# Altium PCB PCB4.PcbDoc (part 12 of 12)
Units mil, origin at the board's own origin, x right, y up, seen from the top; angles counter-clockwise.
Board outline 9204.7 x 4350.39 mil, 4 copper layers (Top Layer, Layer 1, Layer 2, Bottom Layer), stack 23.756 mil thick; 1824 components, 1732 nets, 6090 pads, 1022 vias.
Unrouted connection lines stored in the file: 2463.
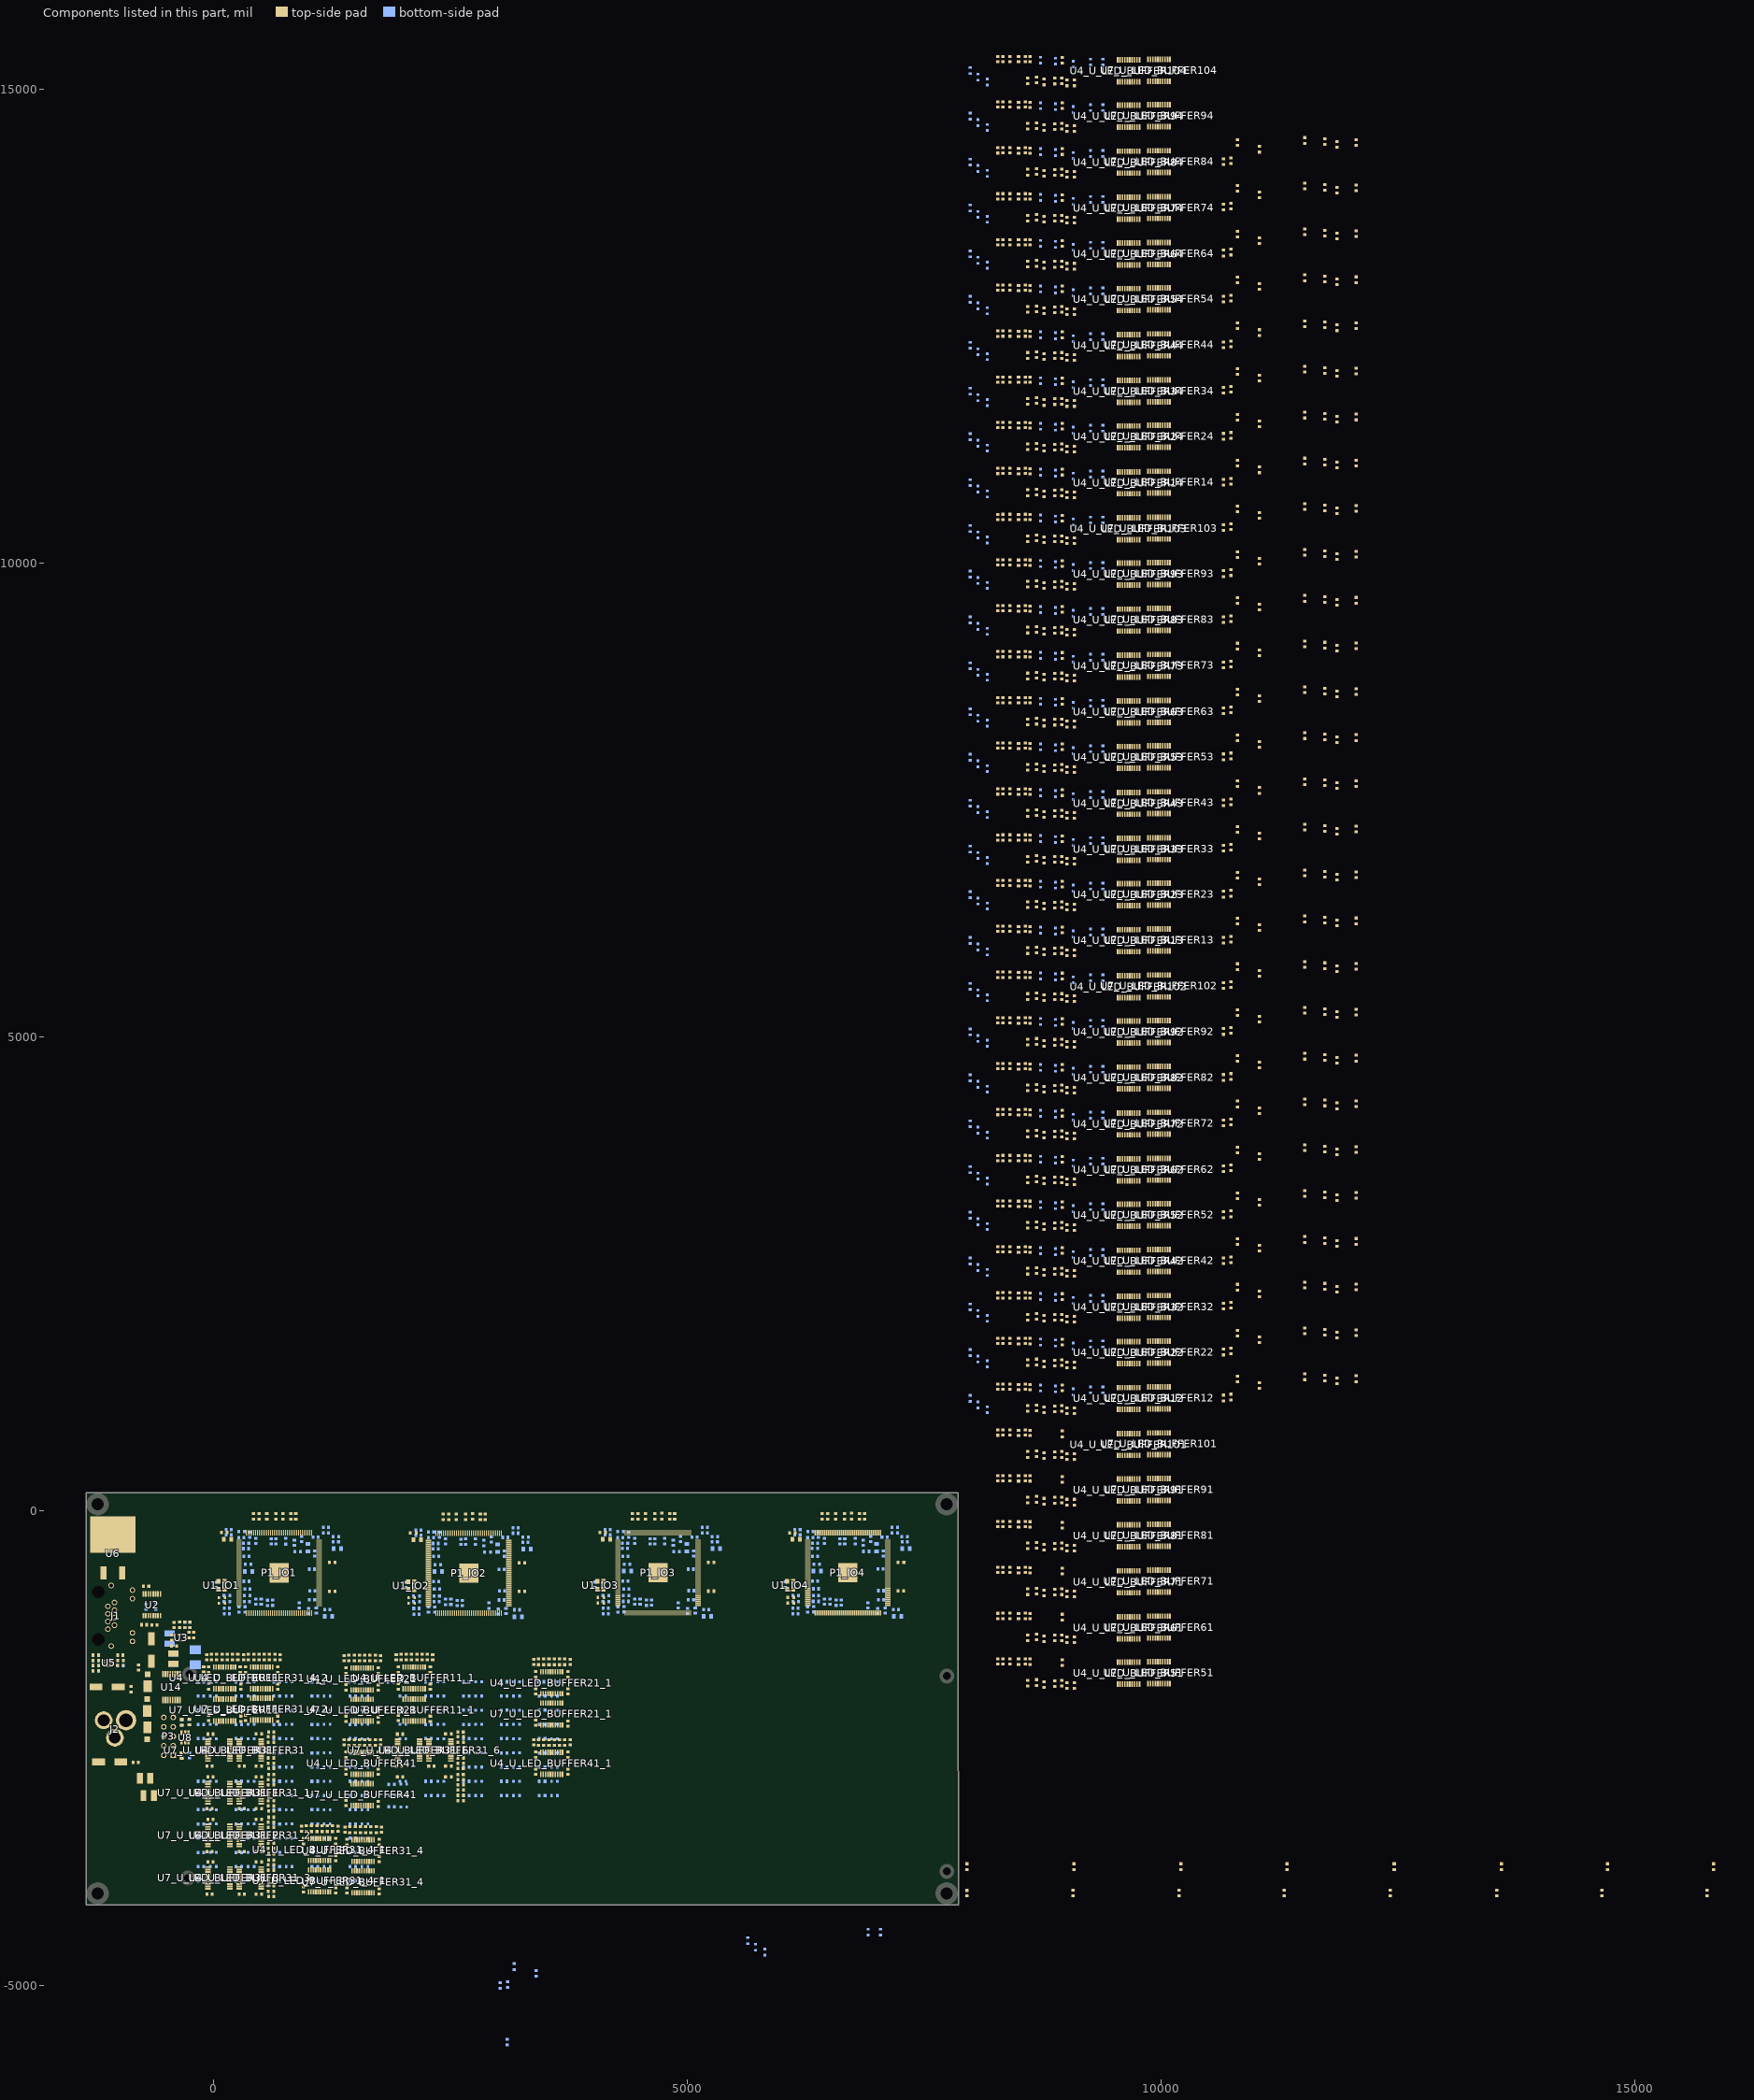
[diagram p14: the components of this part, seen from the top]

## Via types
v1: diameter 24, hole 12, Top Layer to Bottom Layer, 1022 vias

## Nets (pads, with @x,y where several pads share a name; then routed paths per layer and width w, separated by ;. In a path a pad name is that pad's centre, name@x,y a point inside that pad or via, vN(x,y) a via of type N, cw(c..) or ccw(c..) an arc to the next point about the centre after c; other vN are vias at no path point) (continued)
copper on no net: | length 70960.2
  Top Layer w7: -573.5,-3457.6 -573.5,-3440.6 -549.36,-3416.46 -549.36,-3387.51 ; -549.36,-3336.33 -501.38,-3336.33 -494.15,-3329.1 -488,-3322.95 -460.65,-3295.6 -460.5,-3295.6 ; -513.5,-3457.6 -454.06,-3457.6 -453.06,-3458.6 ; -395.8,-2767 v1@-299,-2767 ; -395.8,-2741 -396.36,-2741.56 -433.91,-2741.56 -449.97,-2757.62 -449.97,-2834.53 -434.51,-2850 v1(-270,-2850) ; -55.67,-3933.98 36.02,-3933.98 120,-3850 120,-3739.32 171.71,-3687.61 ; -55.67,-3908.39 31.41,-3908.39 90.7,-3849.1 90.7,-3736.43 v1(106.17,-3720.97) ; -55.67,-3882.8 27,-3882.8 70.67,-3839.13 70.67,-3720.67 v1(70,-3720) ; -55.67,-3857.2 32.8,-3857.2 52.5,-3837.5 52.5,-3776.59 47.5,-3771.59 47.5,-3710.68 v1@49.09,-3709.09 ; -55.67,-3806.02 -55.46,-3806.23 26.23,-3806.23 v1(30,-3810) ; -55.67,-3754.84 -25.16,-3754.84 0,-3780 v1@10,-3780 ; -55.67,-3483.98 36.02,-3483.98 120,-3400 120,-3289.32 171.71,-3237.61 ; -55.67,-3458.39 31.41,-3458.39 90.7,-3399.1 90.7,-3286.43 v1(106.17,-3270.97) ; -55.67,-3432.8 27,-3432.8 70.67,-3389.13 70.67,-3270.67 v1(70,-3270) ; -55.67,-3407.2 32.8,-3407.2 52.5,-3387.5 52.5,-3326.59 47.5,-3321.59 47.5,-3260.68 v1@49.09,-3259.09 ; -55.67,-3356.02 -55.46,-3356.23 26.23,-3356.23 v1(30,-3360) ; -55.67,-3304.84 -25.16,-3304.84 0,-3330 v1@10,-3330 ; -55.67,-3033.98 36.02,-3033.98 120,-2950 120,-2839.32 171.71,-2787.61 ; -55.67,-3008.39 31.41,-3008.39 90.7,-2949.1 90.7,-2836.43 v1(106.17,-2820.97) ; -55.67,-2982.8 27,-2982.8 70.67,-2939.13 70.67,-2820.67 v1(70,-2820) ; -55.67,-2957.2 32.8,-2957.2 52.5,-2937.5 52.5,-2876.59 47.5,-2871.59 47.5,-2810.68 v1@49.09,-2809.09 ; -55.67,-2906.02 -55.46,-2906.23 26.23,-2906.23 v1(30,-2910) ; -55.67,-2854.84 -25.16,-2854.84 0,-2880 v1@10,-2880 ; 171.34,-3830 270,-3830 ; 171.34,-3380 270,-3380 ; 171.34,-2930 270,-2930 ; 175.67,-3959.57 209.57,-3959.57 235.16,-3985.16 274.33,-3985.16 ; 175.67,-3933.98 274.33,-3933.98 ; 175.67,-3908.39 274.33,-3908.39 ; 175.67,-3882.8 274.33,-3882.8 ; 175.67,-3857.2 274.33,-3857.2 ; 175.67,-3806.02 274.33,-3806.02 ; 175.67,-3780.43 274.33,-3780.43 ; 175.67,-3509.57 209.57,-3509.57 235.16,-3535.16 274.33,-3535.16 ; 175.67,-3483.98 274.33,-3483.98 ; 175.67,-3458.39 274.33,-3458.39 ; 175.67,-3432.8 274.33,-3432.8 ; 175.67,-3407.2 274.33,-3407.2 ; 175.67,-3356.02 274.33,-3356.02 ; 175.67,-3330.43 274.33,-3330.43 ; 175.67,-3059.57 209.57,-3059.57 235.16,-3085.16 274.33,-3085.16 ; 175.67,-3033.98 274.33,-3033.98 ; 175.67,-3008.39 274.33,-3008.39 ; 175.67,-2982.8 274.33,-2982.8 ; 175.67,-2957.2 274.33,-2957.2 ; 175.67,-2906.02 274.33,-2906.02 ; 175.67,-2880.43 274.33,-2880.43 ; 327.61,-1978.29 379.33,-2030 490,-2030 573.98,-2113.98 573.98,-2205.67 ; 341.64,-1700 341.64,-1717.5 354.13,-1730 415.9,-1730 420,-1725.9 420,-1644.76 420.43,-1644.33 ; 371.11,-1570 371.69,-1570 406.86,-1605.16 407.23,-1604.8 441.66,-1604.8 446,-1609.13 446,-1611.36 ; 394.84,-2205.67 394.84,-2175.16 420,-2150 v1@420,-2140 ; 420.43,-1974.33 420.43,-1875.67 ; 426.67,-1570 471.61,-1614.95 471.61,-1644.33 ; 446.02,-1974.33 446.02,-1875.67 ; 446.02,-1644.33 446.02,-1611.39 ; 450,-4040 450.83,-4040 505.67,-3985.16 ; 450,-3701.64 432.5,-3701.64 420,-3714.13 420,-3775.9 424.1,-3780 505.24,-3780 505.67,-3780.43 ; 450,-3590 450.83,-3590 505.67,-3535.16 ; 450,-3251.64 432.5,-3251.64 420,-3264.13 420,-3325.9 424.1,-3330 505.24,-3330 505.67,-3330.43 ; 450,-3140 450.83,-3140 505.67,-3085.16 ; 450,-2801.64 432.5,-2801.64 420,-2814.13 420,-2875.9 424.1,-2880 505.24,-2880 505.67,-2880.43 ; 470,-1978.66 470,-1880 ; 482.22,-1570 497.2,-1584.98 497.2,-1644.33 ; 497.2,-1974.33 497.2,-1875.67 ; 505.67,-3933.98 533.98,-3933.98 546.53,-3946.53 546.53,-3976.53 578.89,-4008.89 580,-4008.89 ; 505.67,-3908.39 538.39,-3908.39 580,-3950 580,-3953.33 ; 505.67,-3882.8 565.02,-3882.8 580,-3897.78 ; 505.67,-3857.2 565.02,-3857.2 580,-3842.22 ; 505.67,-3831.61 535.05,-3831.61 580,-3786.67 ; 505.67,-3806.02 538.61,-3806.02 ; 505.67,-3483.98 533.98,-3483.98 546.53,-3496.53 546.53,-3526.53 578.89,-3558.89 580,-3558.89 ; 505.67,-3458.39 538.39,-3458.39 580,-3500 580,-3503.33 ; 505.67,-3432.8 565.02,-3432.8 580,-3447.78 ; 505.67,-3407.2 565.02,-3407.2 580,-3392.22 ; 505.67,-3381.61 535.05,-3381.61 580,-3336.67 ; 505.67,-3356.02 538.61,-3356.02 ; 505.67,-3033.98 533.98,-3033.98 546.53,-3046.53 546.53,-3076.53 578.89,-3108.89 580,-3108.89 ; 505.67,-3008.39 538.39,-3008.39 580,-3050 580,-3053.33 ; 505.67,-2982.8 565.02,-2982.8 580,-2997.78 ; 505.67,-2957.2 565.02,-2957.2 580,-2942.22 ; 505.67,-2931.61 535.05,-2931.61 580,-2886.67 ; 505.67,-2906.02 538.61,-2906.02 ; 522.8,-1974.33 522.8,-1875.67 ; 522.8,-1644.33 522.8,-1584.98 537.78,-1570 ; 538.64,-3806 540.87,-3806 545.2,-3801.66 545.2,-3767.23 544.84,-3766.86 580,-3731.69 580,-3731.11 ; 538.64,-3356 540.87,-3356 545.2,-3351.66 545.2,-3317.23 544.84,-3316.86 580,-3281.69 580,-3281.11 ; 538.64,-2906 540.87,-2906 545.2,-2901.66 545.2,-2867.23 544.84,-2866.86 580,-2831.69 580,-2831.11 ; 548.39,-1974.33 548.39,-1875.67 ; 548.39,-1644.33 548.39,-1611.61 590,-1570 593.33,-1570 ; 573.98,-1974.33 573.98,-1875.67 ; 573.98,-1644.33 573.98,-1616.02 586.53,-1603.47 616.53,-1603.47 648.89,-1571.11 648.89,-1570 ; 599.57,-1974.33 599.57,-1940.43 625.16,-1914.84 625.16,-1875.67 ; 625.16,-1644.33 680,-1699.17 680,-1700 ; 937.61,-3788.29 989.33,-3840 1100,-3840 1183.98,-3923.98 1183.98,-4015.67 ; 951.64,-3510 951.64,-3527.5 964.13,-3540 1025.9,-3540 1030,-3535.9 1030,-3454.76 1030.43,-3454.33 ; v1@959.09,-3910.91 960.68,-3912.5 1021.59,-3912.5 1026.59,-3907.5 1087.5,-3907.5 1107.2,-3927.2 1107.2,-4015.67 ; v1(970,-3890) 970.67,-3889.33 1089.13,-3889.33 1132.8,-3933 1132.8,-4015.67 ; v1(970.97,-3853.83) 986.43,-3869.3 1099.1,-3869.3 1158.39,-3928.59 1158.39,-4015.67 ; 981.11,-3380 981.69,-3380 1016.86,-3415.16 1017.23,-3414.8 1051.66,-3414.8 1056,-3419.13 1056,-3421.36 ; 1004.84,-4015.67 1004.84,-3985.16 1030,-3960 v1@1030,-3950 ; 1030.43,-3784.33 1030.43,-3685.67 ; 1036.67,-3380 1081.61,-3424.95 1081.61,-3454.33 ; 1056.02,-4015.67 1056.23,-4015.46 1056.23,-3933.77 v1(1060,-3930) ; 1056.02,-3784.33 1056.02,-3685.67 ; 1056.02,-3454.33 1056.02,-3421.39 ; 1080,-3788.66 1080,-3690 ; 1092.22,-3380 1107.2,-3394.98 1107.2,-3454.33 ; 1107.2,-3784.33 1107.2,-3685.67 ; 1132.8,-3784.33 1132.8,-3685.67 ; 1132.8,-3454.33 1132.8,-3394.98 1147.78,-3380 ; 1158.39,-3784.33 1158.39,-3685.67 ; 1158.39,-3454.33 1158.39,-3421.61 1200,-3380 1203.33,-3380 ; 1183.98,-3784.33 1183.98,-3685.67 ; 1183.98,-3454.33 1183.98,-3426.02 1196.53,-3413.47 1226.53,-3413.47 1258.89,-3381.11 1258.89,-3380 ; 1209.57,-3784.33 1209.57,-3750.43 1235.16,-3724.84 1235.16,-3685.67 ; 1235.16,-3454.33 1290,-3509.17 1290,-3510 ; 1397.61,-3798.29 1449.33,-3850 1560,-3850 1643.98,-3933.98 1643.98,-4025.67 ; 1411.64,-3520 1411.64,-3537.5 1424.13,-3550 1485.9,-3550 1490,-3545.9 1490,-3464.76 1490.43,-3464.33 ; v1@1419.09,-3920.91 1420.68,-3922.5 1481.59,-3922.5 1486.59,-3917.5 1547.5,-3917.5 1567.2,-3937.2 1567.2,-4025.67 ; v1(1430.97,-3863.83) 1446.43,-3879.3 1559.1,-3879.3 1618.39,-3938.59 1618.39,-4025.67 ; 1441.11,-3390 1441.69,-3390 1476.86,-3425.16 1477.23,-3424.8 1511.66,-3424.8 1516,-3429.13 1516,-3431.36 ; 1464.84,-4025.67 1464.84,-3995.16 1490,-3970 v1@1490,-3960 ; 1490.43,-3794.33 1490.43,-3695.67 ; 1496.67,-3390 1541.61,-3434.95 1541.61,-3464.33 ; 1516.02,-4025.67 1516.23,-4025.46 1516.23,-3943.77 v1(1520,-3940) ; 1516.02,-3794.33 1516.02,-3695.67 ; 1516.02,-3464.33 1516.02,-3431.39 ; 1540,-3798.66 1540,-3700 ; 1552.22,-3390 1567.2,-3404.98 1567.2,-3464.33 ; 1567.2,-3794.33 1567.2,-3695.67 ; 1592.8,-3794.33 1592.8,-3695.67 ; 1592.8,-3464.33 1592.8,-3404.98 1607.78,-3390 ; 1618.39,-3794.33 1618.39,-3695.67 ; 1618.39,-3464.33 1618.39,-3431.61 1660,-3390 1663.33,-3390 ; 1643.98,-3794.33 1643.98,-3695.67 ; 1643.98,-3464.33 1643.98,-3436.02 1656.53,-3423.47 1686.53,-3423.47 1718.89,-3391.11 1718.89,-3390 ; 1669.57,-3794.33 1669.57,-3760.43 1695.16,-3734.84 1695.16,-3695.67 ; 1695.16,-3464.33 1750,-3519.17 1750,-3520 ; 1890,-2440 1899.57,-2430.43 1944.33,-2430.43 ; 1944.33,-3033.98 2036.02,-3033.98 2120,-2950 2120,-2839.32 2171.71,-2787.61 ; 1944.33,-3008.39 2031.41,-3008.39 2090.7,-2949.1 2090.7,-2836.43 v1(2106.17,-2820.97) ; 1944.33,-2982.8 2027,-2982.8 2070.67,-2939.13 2070.67,-2820.67 v1(2070,-2820) ; 1944.33,-2957.2 2032.8,-2957.2 2052.5,-2937.5 2052.5,-2876.59 2047.5,-2871.59 2047.5,-2810.68 v1@2049.09,-2809.09 ; 1944.33,-2906.02 1944.54,-2906.23 2026.23,-2906.23 v1(2030,-2910) ; 1944.33,-2854.84 1974.84,-2854.84 2000,-2880 v1@2010,-2880 ; 1944.33,-2583.98 2036.02,-2583.98 2120,-2500 2120,-2389.32 2171.71,-2337.61 2237.33,-2271.99 v1@2237.26,-2271.92 ; 1944.33,-2558.39 2031.41,-2558.39 2090.7,-2499.1 2090.7,-2386.43 v1(2106.17,-2370.97) ; 1944.33,-2532.8 2027,-2532.8 2070.67,-2489.13 2070.67,-2370.67 v1(2070,-2370) ; 1944.33,-2507.2 2032.8,-2507.2 2052.5,-2487.5 2052.5,-2426.59 2047.5,-2421.59 2047.5,-2360.68 v1@2049.09,-2359.09 ; 1944.33,-2456.02 1944.54,-2456.23 2026.23,-2456.23 v1(2030,-2460) ; 1944.33,-2404.84 1974.84,-2404.84 2000,-2430 v1@2010,-2430 ; 1951.64,-1700 1951.64,-1717.5 1964.13,-1730 2025.9,-1730 2030,-1725.9 2030,-1644.76 2030.43,-1644.33 ; 1981.11,-1570 1981.69,-1570 2016.86,-1605.16 2017.23,-1604.8 2051.66,-1604.8 2056,-1609.13 2056,-1611.36 ; 2004.9,-2215.35 2004.9,-2254.04 2037.84,-2286.98 2110,-2286.98 2132.5,-2264.48 v1(2134.39,-2264.48) ; v1(2010,-2060) 2040,-2030 2130,-2030 2184.03,-2084.03 2184.03,-2215.35 ; 2030.43,-1974.33 2030.43,-1875.67 ; 2030.49,-2215.35 2034.01,-2218.88 2034.01,-2250.58 2047.91,-2264.48 v1(2097.43,-2264.48) ; 2036.67,-1570 2081.61,-1614.95 2081.61,-1644.33 ; 2056.02,-1974.33 2056.02,-1875.67 ; 2056.02,-1644.33 2056.02,-1611.39 ; 2056.08,-2215.35 2056.08,-2078.52 2056.75,-2077.85 2056.75,-2070.67 2056.08,-2070 v1(2060,-2070) ; 2080,-1978.66 2080,-1880 ; 2081.67,-2215.35 2081.67,-2132.82 2094.87,-2119.62 v1(2094.87,-2099.74) ; 2092.22,-1570 2107.2,-1584.98 2107.2,-1644.33 ; 2107.2,-1974.33 2107.2,-1875.67 ; 2107.26,-2215.35 2107.26,-2149.69 2117.37,-2139.57 2117.37,-2063.25 v1(2108.77,-2054.65) ; 2132.8,-1974.33 2132.8,-1875.67 ; 2132.8,-1644.33 2132.8,-1584.98 2147.78,-1570 ; 2132.85,-2215.35 2132.85,-2096.89 v1(2140.05,-2089.69) ; v1@2151.77,-2160.44 2156.34,-2165.02 v1@2156.48,-2165.16 ; v1(2156.2,-2165.16) v1@2156.48,-2165.16 ; 2158.39,-1974.33 2158.39,-1875.67 ; 2158.39,-1644.33 2158.39,-1611.61 2200,-1570 2203.33,-1570 ; 2158.44,-2215.35 2158.44,-2167.11 v1@2156.48,-2165.16 ; v1@2159.44,-2162.19 v1@2156.48,-2165.16 ; 2171.34,-2930 2270,-2930 ; 2171.34,-2480 2270,-2480 ; 2175.67,-3059.57 2209.57,-3059.57 2235.16,-3085.16 2274.33,-3085.16 ; 2175.67,-3033.98 2274.33,-3033.98 ; 2175.67,-3008.39 2274.33,-3008.39 ; 2175.67,-2982.8 2274.33,-2982.8 ; 2175.67,-2957.2 2274.33,-2957.2 ; 2175.67,-2906.02 2274.33,-2906.02 ; 2175.67,-2880.43 2274.33,-2880.43 ; 2175.67,-2609.57 2209.57,-2609.57 2235.16,-2635.16 2274.33,-2635.16 ; 2175.67,-2583.98 2274.33,-2583.98 ; 2175.67,-2558.39 2274.33,-2558.39 ; 2175.67,-2532.8 2274.33,-2532.8 ; 2175.67,-2507.2 2274.33,-2507.2 ; 2175.67,-2456.02 2274.33,-2456.02 ; 2175.67,-2430.43 2274.33,-2430.43 ; 2183.98,-1974.33 2183.98,-1875.67 ; 2183.98,-1644.33 2183.98,-1616.02 2196.53,-1603.47 2226.53,-1603.47 2258.89,-1571.11 2258.89,-1570 ; 2209.57,-1974.33 2209.57,-1940.43 2235.16,-1914.84 2235.16,-1875.67 ; 2235.16,-1644.33 2290,-1699.17 2290,-1700 ; 2368.66,-1366.5 2490.32,-1488.15 2490.32,-1590 ; 2400,-1600 2400,-1506.18 ; 2414,-1600 2414,-1500.38 ; 2428,-1600 2428,-1494.58 ; 2442,-1600 2442,-1488.78 ; 2450,-2801.64 2432.5,-2801.64 2420,-2814.13 2420,-2875.9 2424.1,-2880 2505.24,-2880 2505.67,-2880.43 ; 2450,-2690 2450.83,-2690 2505.67,-2635.16 ; 2450,-2351.64 2432.5,-2351.64 2420,-2364.13 2420,-2425.9 2424.1,-2430 2505.24,-2430 2505.67,-2430.43 ; 2456,-1600 2456,-1482.99 ; 2505.67,-3033.98 2533.98,-3033.98 2546.53,-3046.53 2546.53,-3076.53 ; 2505.67,-3008.39 2538.39,-3008.39 2580,-3050 2580,-3053.33 ; 2505.67,-2982.8 2565.02,-2982.8 2580,-2997.78 ; 2505.67,-2957.2 2565.02,-2957.2 2580,-2942.22 ; 2505.67,-2931.61 2535.05,-2931.61 2580,-2886.67 ; 2505.67,-2906.02 2538.61,-2906.02 ; 2505.67,-2583.98 2533.98,-2583.98 2546.53,-2596.53 2546.53,-2626.53 2578.89,-2658.89 2580,-2658.89 ; 2505.67,-2558.39 2538.39,-2558.39 2580,-2600 2580,-2603.33 ; 2505.67,-2532.8 2565.02,-2532.8 2580,-2547.78 ; 2505.67,-2507.2 2565.02,-2507.2 2580,-2492.22 ; 2505.67,-2481.61 2535.05,-2481.61 2580,-2436.67 ; 2505.67,-2456.02 2538.61,-2456.02 ; 2510,-1590 2510,-1480 ; 2538.64,-2906 2540.87,-2906 2545.2,-2901.66 2545.2,-2867.23 2544.84,-2866.86 2580,-2831.69 2580,-2831.11 ; 2538.64,-2456 2540.87,-2456 2545.2,-2451.66 2545.2,-2417.23 2544.84,-2416.86 2580,-2381.69 2580,-2381.11 ; 2549.37,-1590 2549.37,-1463.69 ; 2580,-1580 2580,-1440 ; 2599.69,-1580 2599.69,-1431.85 ; 2619.37,-1580 2619.37,-1423.69 ; v1(3400,-2070) 3480,-2070 3535.44,-2125.44 3535.44,-2176.38 3530,-2181.82 3530,-2254.06 3531.61,-2255.67 ; 3401.64,-2600 3401.64,-2617.5 3414.13,-2630 3475.9,-2630 3480,-2625.9 3480,-2544.76 3480.43,-2544.33 ; 3401.64,-1750 3401.64,-1767.5 3414.13,-1780 3475.9,-1780 3480,-1775.9 3480,-1694.76 3480.43,-1694.33 ; 3431.11,-2470 3431.69,-2470 3466.86,-2505.16 3467.23,-2504.8 3501.66,-2504.8 3506,-2509.13 3506,-2511.36 ; 3431.11,-1620 3431.69,-1620 3466.86,-1655.16 3467.23,-1654.8 3501.66,-1654.8 3506,-1659.13 3506,-1661.36 ; v1@3450,-3040 3460,-3040 3480.43,-3060.43 3480.43,-3105.67 ; v1(3460,-2110) 3462.31,-2110 3480.43,-2128.12 3480.43,-2255.67 ; 3480.43,-2874.33 3480.43,-2775.67 ; 3480.43,-2024.33 3480.43,-1925.67 ; 3486.67,-2470 3531.61,-2514.95 3531.61,-2544.33 ; 3486.67,-1620 3531.61,-1664.95 3531.61,-1694.33 ; 3506.02,-2874.33 3506.02,-2775.67 ; 3506.02,-2544.33 3506.02,-2511.39 ; 3506.02,-2255.67 3506.02,-2173.98 v1(3510,-2170) ; 3506.02,-2024.33 3506.02,-1925.67 ; 3506.02,-1694.33 3506.02,-1661.39 ; 3530,-2878.66 3530,-2780 ; 3530,-2028.66 3530,-1930 ; v1(3530.22,-3049.78) 3531.3,-3050.86 3531.3,-3105.35 3531.61,-3105.67 ; 3542.22,-2470 3557.2,-2484.98 3557.2,-2544.33 ; 3542.22,-1620 3557.2,-1634.98 3557.2,-1694.33 ; 3557.2,-3105.67 3559.21,-3103.67 3559.21,-2966.71 v1(3557.37,-2964.88) v1@3559.21,-2963.04 ; 3557.2,-2874.33 3557.2,-2775.67 ; 3557.2,-2255.67 3557.2,-2172.8 v1(3560,-2170) ; 3557.2,-2024.33 3557.2,-1925.67 ; 3582.8,-3105.67 3582.94,-3105.52 v1(3582.94,-2928.7) v1@3582.94,-2928.47 ; 3582.8,-2874.33 3582.8,-2775.67 ; 3582.8,-2544.33 3582.8,-2484.98 3597.78,-2470 ; 3582.8,-2255.67 3582.8,-2207.94 v1(3584.24,-2206.5) ; 3582.8,-2024.33 3582.8,-1925.67 ; 3582.8,-1694.33 3582.8,-1634.98 3597.78,-1620 ; v1(3607.15,-2961.26) 3608.39,-2962.49 3608.39,-3105.67 ; 3608.39,-2874.33 3608.39,-2775.67 ; 3608.39,-2544.33 3608.39,-2511.61 3650,-2470 3653.33,-2470 ; 3608.39,-2255.67 3608.39,-2211.61 v1(3620,-2200) ; 3608.39,-2024.33 3608.39,-1925.67 ; 3608.39,-1694.33 3608.39,-1661.61 3650,-1620 3653.33,-1620 ; 3633.98,-3105.67 3634.08,-3105.56 3634.08,-2930.05 v1(3635.33,-2928.81) ; 3633.98,-2874.33 3633.98,-2775.67 ; 3633.98,-2544.33 3633.98,-2516.02 3646.53,-2503.47 3676.53,-2503.47 3708.89,-2471.11 3708.89,-2470 ; 3633.98,-2255.67 3635.6,-2257.3 3635.6,-2299.08 v1(3637.23,-2300.71) ; 3633.98,-2024.33 3633.98,-1925.67 ; 3633.98,-1694.33 3633.98,-1666.02 3646.53,-1653.47 3676.53,-1653.47 3708.89,-1621.11 3708.89,-1620 ; 3659.57,-2874.33 3659.57,-2840.43 3685.16,-2814.84 3685.16,-2775.67 ; 3659.57,-2024.33 3659.57,-1990.43 3685.16,-1964.84 3685.16,-1925.67 ; 3685.16,-2544.33 3740,-2599.17 3740,-2600 ; 3685.16,-1694.33 3740,-1749.17 3740,-1750
  Top Layer w10: -942.5,-3376.6 -939.5,-3376.6 -873.64,-3310.74 -769.84,-3310.74 ; -851.5,-3373.04 -851.5,-3355.6 -832.23,-3336.33 -769.84,-3336.33 ; -397.94,-3458.6 -395.5,-3456.16 -395.5,-3404.27
  Top Layer w12: -549.36,-3361.92 -455.1,-3361.92 ; -455.5,-3404.27 -455.5,-3352.43
  Top Layer w15: v1(-885.5,-3427.6) -884.84,-3428.26 -882.58,-3428.26 -882.48,-3428.16 -851.5,-3428.16 ; v1(-607.5,-2741) -555.8,-2741 ; -555.8,-2792 -507,-2792 v1@-501,-2798 ; -555.8,-2716 -501.3,-2716 v1@-501,-2716.3 ; -395.8,-2792 -339.3,-2792 v1@-339.1,-2792.2 ; -395.8,-2716 -338.11,-2716 v1@-337.43,-2716.68 ; -395.5,-3349.93 -344.84,-3349.93 -323.5,-3328.6 -323.5,-3053.6 -346.5,-3030.6 ; -67.56,-4040 -67.56,-3985.16 -55.67,-3985.16 ; -67.56,-3590 -67.56,-3535.16 -55.67,-3535.16 ; -67.56,-3140 -67.56,-3085.16 -55.67,-3085.16 ; -55.67,-3959.57 -0.43,-3959.57 v1(0,-3960) ; -55.67,-3509.57 -0.43,-3509.57 v1(0,-3510) ; -55.67,-3059.57 -0.43,-3059.57 v1(0,-3060) ; v1(158.62,-3732.53) 158.62,-3753.46 159.35,-3754.19 160,-3754.84 175.67,-3754.84 ; v1(158.62,-3282.53) 158.62,-3303.46 159.35,-3304.19 160,-3304.84 175.67,-3304.84 ; v1(158.62,-2832.53) 158.62,-2853.46 159.35,-2854.19 160,-2854.84 175.67,-2854.84 ; v1(164.26,-4023.1) 164.26,-3986.52 165.61,-3985.16 175.67,-3985.16 ; v1(164.26,-3573.1) 164.26,-3536.52 165.61,-3535.16 175.67,-3535.16 ; v1(164.26,-3123.1) 164.26,-3086.52 165.61,-3085.16 175.67,-3085.16 ; 274.33,-3754.84 315.33,-3754.84 344.82,-3784.33 v1(344.82,-3786.28) ; 274.33,-3304.84 315.33,-3304.84 344.82,-3334.33 v1(344.82,-3336.28) ; 274.33,-2854.84 315.33,-2854.84 344.82,-2884.33 v1(344.82,-2886.28) ; v1@370.45,-1670 375.86,-1670 379.99,-1665.87 393.48,-1665.87 394.84,-1664.51 394.84,-1644.33 ; v1(372.53,-1991.38) 393.46,-1991.38 394.19,-1990.65 394.84,-1990 394.84,-1974.33 ; v1@454.13,-3962.26 456.83,-3959.57 505.67,-3959.57 ; v1@454.13,-3512.26 456.83,-3509.57 505.67,-3509.57 ; v1@454.13,-3062.26 456.83,-3059.57 505.67,-3059.57 ; v1@480,-3730.45 480,-3735.86 484.13,-3739.99 484.13,-3753.48 485.49,-3754.84 505.67,-3754.84 ; v1@480,-3280.45 480,-3285.86 484.13,-3289.99 484.13,-3303.48 485.49,-3304.84 505.67,-3304.84 ; v1@480,-2830.45 480,-2835.86 484.13,-2839.99 484.13,-2853.48 485.49,-2854.84 505.67,-2854.84 ; 599.57,-2205.67 599.57,-2150.43 v1(600,-2150) ; 599.57,-1644.33 599.57,-1693.17 v1@602.26,-1695.87 ; 625.16,-1974.33 625.16,-1984.39 626.52,-1985.74 v1(663.1,-1985.74) ; 637.56,-4064.44 637.63,-4064.51 637.63,-4090.88 v1(637.7,-4090.94) ; 637.56,-3614.44 637.63,-3614.51 637.63,-3640.88 v1(637.7,-3640.94) ; 637.56,-3164.44 637.63,-3164.51 637.63,-3190.88 v1(637.7,-3190.94) ; 704.44,-1512.44 704.51,-1512.37 730.88,-1512.37 v1(730.94,-1512.3) ; v1@980.45,-3480 985.86,-3480 989.99,-3475.87 1003.48,-3475.87 1004.84,-3474.51 1004.84,-3454.33 ; v1(982.53,-3801.38) 1003.46,-3801.38 1004.19,-3800.65 1004.84,-3800 1004.84,-3784.33 ; 1209.57,-4015.67 1209.57,-3960.43 v1(1210,-3960) ; 1209.57,-3454.33 1209.57,-3503.17 v1@1212.26,-3505.87 ; 1235.16,-4015.67 1235.16,-4027.56 1290,-4027.56 ; 1235.16,-3784.33 1235.16,-3794.39 1236.52,-3795.74 v1(1273.1,-3795.74) ; 1314.44,-3322.44 1314.51,-3322.37 1340.88,-3322.37 v1(1340.94,-3322.3) ; v1@1440.45,-3490 1445.86,-3490 1449.99,-3485.87 1463.48,-3485.87 1464.84,-3484.51 1464.84,-3464.33 ; v1(1442.53,-3811.38) 1463.46,-3811.38 1464.19,-3810.65 1464.84,-3810 1464.84,-3794.33 ; 1669.57,-4025.67 1669.57,-3970.43 v1(1670,-3970) ; 1669.57,-3464.33 1669.57,-3513.17 v1@1672.26,-3515.87 ; 1695.16,-4025.67 1695.16,-4037.56 1750,-4037.56 ; 1695.16,-3794.33 1695.16,-3804.39 1696.52,-3805.74 v1(1733.1,-3805.74) ; 1774.44,-3332.44 1774.51,-3332.37 1800.88,-3332.37 v1(1800.94,-3332.3) ; 1932.44,-3085.16 1944.33,-3085.16 ; 1932.44,-2690 1932.44,-2635.16 1944.33,-2635.16 ; 1944.33,-3059.57 1999.57,-3059.57 v1(2000,-3060) ; 1944.33,-2609.57 1999.57,-2609.57 v1(2000,-2610) ; 1951.64,-1876.81 v1(1977.67,-1876.81) 2003.7,-1876.81 ; v1(1960.05,-1999.69) 2004.9,-1999.69 2004.9,-1984.02 ; 2004.84,-1644.33 2004.84,-1695.38 v1(2005.88,-1696.42) ; v1(2158.62,-2832.53) 2158.62,-2853.46 2159.35,-2854.19 2160,-2854.84 2175.67,-2854.84 ; v1(2158.62,-2382.53) 2158.62,-2403.46 2159.35,-2404.19 2160,-2404.84 2175.67,-2404.84 ; 2164.26,-3086.52 2165.61,-3085.16 2175.67,-3085.16 ; v1(2164.26,-2673.1) 2164.26,-2636.52 2165.61,-2635.16 2175.67,-2635.16 ; 2209.57,-1644.33 2209.57,-1693.17 v1@2212.26,-1695.87 ; 2209.62,-2215.35 2210.98,-2214 2210.98,-2179.35 2227.88,-2162.44 2290,-2162.44 ; 2235.16,-2205.67 2235.16,-2217.56 2290,-2217.56 ; 2235.21,-1984.02 2235.21,-1994.07 2236.57,-1995.43 v1(2273.16,-1995.43) ; 2274.33,-2854.84 2315.33,-2854.84 2344.82,-2884.33 v1(2344.82,-2886.28) ; 2274.33,-2404.84 2315.33,-2404.84 2344.82,-2434.33 v1(2344.82,-2436.28) ; v1@2454.13,-3062.26 2456.83,-3059.57 2505.67,-3059.57 ; v1@2454.13,-2612.26 2456.83,-2609.57 2505.67,-2609.57 ; v1@2480,-2830.45 2480,-2835.86 2484.13,-2839.99 2484.13,-2853.48 2485.49,-2854.84 2505.67,-2854.84 ; v1@2480,-2380.45 2480,-2385.86 2484.13,-2389.99 2484.13,-2403.48 2485.49,-2404.84 2505.67,-2404.84 ; 2637.56,-2714.44 2637.63,-2714.51 2637.63,-2740.88 v1(2637.7,-2740.94) ; 3401.64,-2776.81 3418.45,-2760 v1(3420,-2760) 3454.84,-2760 3454.84,-2775.67 ; 3401.64,-1926.81 3418.45,-1910 v1(3420,-1910) 3454.84,-1910 3454.84,-1925.67 ; v1(3410,-2890) 3454.84,-2890 3454.84,-2874.33 ; v1(3410,-2040) 3454.84,-2040 3454.84,-2024.33 ; 3454.84,-2544.33 3454.84,-2595.38 v1(3455.88,-2596.42) ; 3454.84,-1694.33 3454.84,-1745.38 v1(3455.88,-1746.42) ; v1@3659.57,-3050.43 v1(3660,-3050) ; 3659.57,-2544.33 3659.57,-2593.17 v1@3662.26,-2595.87 ; 3659.57,-2255.67 3659.57,-2200.43 v1(3660,-2200) ; 3659.57,-1694.33 3659.57,-1743.17 v1@3662.26,-1745.87 ; 3685.16,-2874.33 3685.16,-2884.39 3686.52,-2885.74 v1(3723.1,-2885.74) ; 3685.16,-2255.67 3685.16,-2267.56 3740,-2267.56 ; 3685.16,-2024.33 3685.16,-2034.39 3686.52,-2035.74 v1(3723.1,-2035.74)
  Bottom Layer w7: v1(-926.95,-3366.58) -858.68,-3366.58 -614.61,-3122.51 -614.61,-2781.64 -630,-2766.25 -630,-2701.81 -625.9,-2697.71 -576.85,-2697.71 -533.88,-2740.68 -444.73,-2740.68 -292.87,-2892.53 -260,-2892.53 -145.44,-2777.97 ; v1(-301.48,-2767.04) -257.04,-2767.04 -187.64,-2697.64 -187.64,-2058.84 ; v1(-270,-2850) -162.33,-2742.32 ; 1890,-2440 1934.55,-2484.55 2195.25,-2484.55 2210.36,-2469.44 2570.56,-2469.44 2640,-2400 ; 1890,-2060 v1(2010,-2060) ; 1890.98,-2300.98 2186.07,-2300.98 2201.15,-2285.9 2201.15,-2238.85 2256.89,-2183.11 2824.39,-2183.11 2830,-2177.5 3397.5,-2177.5 3425.68,-2205.68 3437.64,-2205.68 v1(3440.57,-2208.61) ; 1900,-2400 1968.5,-2400 ; 1900,-2250 1968.5,-2250 ; 1900,-2100 1968.5,-2100 ; 1900,-1950 1968.5,-1950 ; 1900,-1800 1968.5,-1800 ; 1915.63,-2025.63 2049.52,-2025.63 2059.63,-2035.73 2059.63,-2069.63 v1(2060,-2070) ; v1(2005,-2430) 2161.42,-2430 2221.42,-2370 2463.97,-2370 2475.13,-2358.84 2998.84,-2358.84 3040,-2400 ; 2029.81,-2180 2070.8,-2220.99 2070.8,-2269.67 2088.11,-2286.98 2143.71,-2286.98 2177.39,-2253.3 2177.39,-2234.5 2242.79,-2169.11 2818.59,-2169.11 2824.2,-2163.5 3415.32,-2163.5 3437.93,-2186.11 3494.29,-2186.11 3500.68,-2192.5 3567.52,-2192.5 3581.51,-2206.5 v1(3584.24,-2206.5) ; v1(2030,-2460) 2180,-2460 2240,-2400 ; v1(2047.9,-2348.08) 2067,-2328.98 2198.95,-2328.98 2199.93,-2328 2232,-2328 2263.07,-2296.93 2443.55,-2296.93 2534.48,-2206 3306,-2206 3337.5,-2237.5 3389.32,-2237.5 3401.82,-2250 3440,-2250 ; v1(2070,-2370) 2097.02,-2342.98 2204.75,-2342.98 2205.73,-2342 2286.15,-2342 2317.23,-2310.93 2473.72,-2310.93 2564.65,-2220 3010,-2220 3026,-2236 3028.5,-2236 3040,-2247.5 3040,-2250 ; v1@2094.82,-2090.05 2086,-2081.24 2086,-1814.2 2168.78,-1731.42 3361.42,-1731.42 3416,-1786 3418.5,-1786 3430,-1797.5 3430,-1800 ; v1(2097.43,-2264.48) 2099.81,-2264.48 2100,-2264.68 2103.46,-2261.22 2110.99,-2253.68 2110.99,-2252.92 2124.18,-2239.74 2124.93,-2239.74 2132.5,-2232.17 2186.32,-2178.35 2186.32,-2054.35 2240,-2000.68 2240,-1950 ; v1@2100,-2380 2107.6,-2372.4 2108.42,-2372.4 2123.84,-2356.98 2210.55,-2356.98 2211.53,-2356 2385.94,-2356 2417.01,-2324.93 2472.8,-2324.93 2479.52,-2324.93 2554.45,-2250 2640,-2250 ; v1@2108.72,-2044.97 2108.72,-1851.28 2210.45,-1749.55 2899.55,-1749.55 2950,-1800 3040,-1800 ; v1(2134.39,-2264.48) 2134.39,-2260.44 2130,-2256.05 2205.69,-2180.36 2205.69,-2086.96 2252.65,-2040 2385.87,-2040 2475.87,-1950 2640,-1950 ; v1@2140,-2080 2140,-1852.65 2226.61,-1766.04 2516.04,-1766.04 2550,-1800 2640,-1800 ; v1(2156.2,-2165.16) 2156.2,-2153.32 2156.2,-2143.8 2165,-2135 2165,-1875 2226,-1814 2228.5,-1814 2240,-1802.5 2240,-1800 ; v1@2240,-2268.13 2240,-2250 ; 2240,-2100 2240,-2097.5 2251.5,-2086 2254,-2086 2286,-2054 2391.67,-2054 2428.17,-2017.5 3620,-2017.5 3660,-2057.5 3660,-2130 3620,-2170 v1(3560,-2170) ; 2300,-3000 2368.5,-3000 ; 2300,-2850 2368.5,-2850 ; 2300,-2400 2368.5,-2400 ; 2300,-2250 2368.5,-2250 ; 2300,-2100 2368.5,-2100 ; 2300,-1950 2368.5,-1950 ; 2300,-1800 2368.5,-1800 ; 2640,-2550 2640,-2540 2690,-2490 2890,-2490 2990,-2590 3300,-2590 3330,-2620 3330,-2968.18 3389.32,-3027.5 3402.5,-3040.68 ; 2640,-2100 2640,-2060 2660,-2040 3330,-2040 3350.91,-2060.91 v1@3399.09,-2060.91 ; 2700,-3000 2768.5,-3000 ; 2700,-2850 2768.5,-2850 ; 2700,-2700 2768.5,-2700 ; 2700,-2550 2768.5,-2550 ; 2700,-2400 2768.5,-2400 ; 2700,-2250 2768.5,-2250 ; 2700,-2100 2768.5,-2100 ; 2700,-1950 2768.5,-1950 ; 2700,-1800 2768.5,-1800 ; 3040,-2550 3040,-2510 3060,-2490 3310,-2490 3350,-2530 3350,-2960 3439.78,-3049.78 v1(3450.22,-3049.78) ; 3040,-2100 3040,-2102.5 3051.5,-2114 3054,-2114 3070,-2130 3420,-2130 3447.54,-2157.54 3497.54,-2157.54 v1(3510,-2170) ; 3040,-1950 3040,-1920 3100,-1860 3610,-1860 3762.5,-2012.5 3762.5,-2199.32 3738.46,-2223.36 3738.46,-2263.58 3701.33,-2300.71 v1(3637.23,-2300.71) ; 3100,-3000 3168.5,-3000 ; 3100,-2850 3168.5,-2850 ; 3100,-2700 3168.5,-2700 ; 3100,-2550 3168.5,-2550 ; 3100,-2400 3168.5,-2400 ; 3100,-2250 3168.5,-2250 ; 3100,-2100 3168.5,-2100 ; 3100,-1950 3168.5,-1950 ; 3100,-1800 3168.5,-1800 ; 3440,-3000 3487.89,-3047.89 3528.32,-3047.89 v1(3530.22,-3049.78) ; 3440,-2850 3535.81,-2945.81 3554.88,-2964.88 v1(3557.37,-2964.88) ; 3440,-2700 3440,-2702.5 3451.5,-2714 3454,-2714 3500,-2760 3627.89,-2760 3664.41,-2796.52 3664.41,-2861.24 3655.78,-2869.88 3655.78,-2870.1 3649.62,-2876.25 3649.41,-2876.25 3645.66,-2880 3610,-2880 3582.94,-2907.06 v1(3582.94,-2928.7) ; 3440,-2550 3445.53,-2550 3545.53,-2650 3625.87,-2650 3693.04,-2717.16 3693.04,-2876.96 3670,-2900 3630,-2900 3607.15,-2922.85 v1(3607.15,-2961.26) ; 3440,-2400 3440,-2402.5 3451.5,-2414 3454,-2414 3510,-2470 3650,-2470 3707.5,-2527.5 3707.5,-2827.5 3745.6,-2865.6 3745.6,-2900 3716.79,-2928.81 v1(3635.33,-2928.81) ; 3440,-1950 3440,-1960 3470,-1990 3640,-1990 3675,-2025 3675,-2145 v1(3620,-2200) ; 3490,-1800 3558.5,-1800 ; 3500,-3000 3568.5,-3000 ; 3500,-2850 3568.5,-2850 ; 3500,-2700 3568.5,-2700 ; 3500,-2550 3568.5,-2550 ; 3500,-2400 3568.5,-2400 ; 3500,-2250 3568.5,-2250 ; 3500,-2100 3568.5,-2100 ; 3500,-1950 3568.5,-1950 ; 5900,-1950 5968.5,-1950 ; 5900,-1800 5968.5,-1800 ; 6300,-1950 6368.5,-1950 ; 6300,-1800 6368.5,-1800 ; 6700,-1950 6768.5,-1950 ; 6700,-1800 6768.5,-1800 ; 7100,-1800 7168.5,-1800 ; 7490,-1800 7558.5,-1800
  Bottom Layer w10: -1255,-1234.7 -1257.5,-1234.7 -1267.5,-1244.7 -1267.5,-1247.2 -1309.07,-1288.77 -1309.07,-1783.13 -1256.8,-1835.4 -1256.8,-2057.5 -1306.02,-2106.72 -1306.02,-2339.7 -1236.4,-2409.32 -1236.4,-3071.2 -1176.6,-3131 -725.2,-3131 v1(-692.7,-3098.5)
  Bottom Layer w15: v1(-607.5,-2741) -582.04,-2766.46 -582.04,-3251.56 v1(-473.9,-3359.7) ; v1(3378.47,-2732.85) 3378.47,-2735.28 3378.47,-2755.94 3412.52,-2790 3610,-2790 3631.5,-2811.5 3631.5,-2850 ; 3631.5,-2250 3646.62,-2265.13 v1(3705.1,-2265.13)
  Bottom Layer w20: -1255,-1174.7 -1189.8,-1174.7 -1123.34,-1174.7 -1112.58,-1163.94 ; 2031.5,-1950 2031.5,-1800
  other v1: 563.7,-4063.43 1715.1,-4035.13 1390,-4030 1255.1,-4025.13 332.26,-4020.67 930,-4020 -5.27,-4017.8 272.08,-4016.73 -65.13,-4005.1 1727.8,-3975.27 1390,-3970 1267.8,-3965.27 1490,-3965 450,-3960 930,-3960 1030,-3955 1408.08,-3922.1 948.08,-3912.1 5,-3780 481.18,-3734.61 47.9,-3698.08 1726.73,-3697.92 1266.73,-3687.92 563.03,-3683.03 654.67,-3680.6 -60,-3680 0,-3680 1730.67,-3637.74 1270.67,-3627.74 563.7,-3613.43 332.26,-3570.67 -5.27,-3567.8 272.08,-3566.73 -65.13,-3555.1 1670,-3520 450,-3510 1210,-3510 1444.61,-3488.82 984.61,-3478.82 -395.5,-3430.21 1393.03,-3406.97 1773.43,-3406.3 933.03,-3396.97 1313.43,-3396.3 -380,-3350 5,-3330 1390.6,-3315.33 481.18,-3284.61 -362.5,-3278.6 47.9,-3248.08 563.03,-3233.03 -491.5,-3231.6 -459.21,-3230.85 654.67,-3230.6 -60,-3230 0,-3230 563.7,-3163.43 -547.06,-3153.6 332.26,-3120.67 -5.27,-3117.8 272.08,-3116.73 -65.13,-3105.1 -501.78,-3096.6 -419.5,-3085.6 -358.65,-3085.61 450,-3060 2450,-3060 3380,-3050 3740,-3040 -547.06,-3030.6 -456.5,-3030.6 -389.87,-3030.12 -501.78,-2967.6 -545.5,-2904.6 -465.5,-2904.6 5,-2880 2005,-2880 481.18,-2834.61 2481.18,-2834.61 3740,-2800 -500,-2798 47.9,-2798.08 2047.9,-2798.08 -339.8,-2791.9 563.03,-2783.03 2563.03,-2783.03 654.67,-2780.6 2654.67,-2780.6 -60,-2780 0,-2780 1940,-2780 2000,-2780 3730,-2740 -500.7,-2716 -340.1,-2715.3 2563.7,-2713.43 2332.26,-2670.67 1994.73,-2667.8 2272.08,-2666.73 1934.87,-2655.1 2450,-2610 3660,-2600 3383.03,-2486.97 3763.43,-2486.3 3763.79,-2428.97 3380.6,-2395.33 2481.18,-2384.61 2563.03,-2333.03 2654.67,-2330.6 1940,-2330 2000,-2330 2240,-2270 3380,-2260 2315.28,-2212.83 1930,-2210 3380,-2200 3740,-2190 1930,-2150 2297.27,-2146.61 420,-2145 3740,-1950 2290,-1900 3730,-1890 3378.47,-1882.85 656.73,-1877.92 2280,-1840 1928.47,-1832.85 2030,-1780 3660,-1750 600,-1700 2210,-1700 374.61,-1668.82 3383.03,-1636.97 3763.43,-1636.3 323.03,-1586.97 1933.03,-1586.97 703.43,-1586.3 2313.43,-1586.3 3763.79,-1578.97 3360.8,-1563.19 2313.79,-1528.97 320.6,-1495.33 1930.6,-1495.33 -1190,20 -1080,20 -1190,90 -1080,90

## Polygon pours and split planes (outlines as drawn)
GND on Layer 1 (split plane): 7837.15,-1327.39 7837.16,-1327.43 7837.15,-1327.47 7843.3,-4135.65 -1321.16,-4135.65 -1321.16,174.55 7839.46,174.55
no net on Layer 2 (split plane): 7837.15,-1327.39 7837.16,-1327.43 7837.15,-1327.47 7843.3,-4135.65 -1321.16,-4135.65 -1321.16,-3470.1 -600,-3470.1 -596.08,-3469.71 -592.31,-3468.57 -588.84,-3466.71 -585.79,-3464.21 -583.29,-3461.16 -581.43,-3457.69 -580.29,-3453.92 -579.9,-3450 -580.29,-3446.08 -581.22,-3443.01 -581.22,-2859.84 7527.51,-2859.84 7531.43,-2859.46 7535.2,-2858.31 7538.67,-2856.46 7541.72,-2853.96 7544.22,-2850.91 7546.08,-2847.44 7547.22,-2843.67 7547.61,-2839.75 7547.61,-1097.59 7547.22,-1093.67 7546.08,-1089.9 7544.22,-1086.43 7541.72,-1083.38 7538.67,-1080.88 7535.2,-1079.03 7531.43,-1077.88 7527.51,-1077.5 -89.9,-1077.5 -89.9,174.55 7839.46,174.55
no net on Layer 2 (split plane): -400.1,-1509.9 -601.32,-1509.9 -605.24,-1510.29 -609.01,-1511.43 -612.48,-1513.29 -615.53,-1515.79 -618.03,-1518.83 -619.89,-1522.31 -621.03,-1526.08 -621.42,-1530 -621.42,-1594.91 -621.42,-3429.9 -1321.16,-3429.9 -1321.16,-1646.8 -1320.29,-1643.92 -1319.9,-1640 -1319.9,-1594.91 -1320.29,-1590.99 -1321.16,-1588.11 -1321.16,-1340.1 -400.1,-1340.1
no net on Layer 2 (split plane): -226.77,173.29 -223.29,171.43 -219.52,170.29 -215.6,169.9 -130.1,169.9 -130.1,-1097.59 -129.71,-1101.52 -128.57,-1105.29 -126.71,-1108.76 -124.21,-1111.81 -121.17,-1114.3 -117.69,-1116.16 -113.92,-1117.31 -110,-1117.69 7507.41,-1117.69 7507.41,-2819.65 -579.9,-2819.65 -579.9,-2691.5 -580.29,-2687.58 -581.22,-2684.51 -581.22,-1594.91 -581.22,-1550.1 -380,-1550.1 -376.08,-1549.71 -372.31,-1548.57 -368.84,-1546.71 -365.79,-1544.21 -363.29,-1541.16 -361.43,-1537.69 -360.29,-1533.92 -359.9,-1530 -359.9,-1320 -360.29,-1316.08 -361.43,-1312.31 -363.29,-1308.83 -365.79,-1305.79 -368.84,-1303.29 -372.31,-1301.43 -376.08,-1300.29 -380,-1299.9 -1321.16,-1299.9 -1321.16,174.55 -228.3,174.55
VCC_FPGA_IO2 on Layer 2 (split plane): 3298.44,-2509.3 2126.97,-2509.3 2126.97,-1327.98 3298.44,-1327.98
VCC_FPGA_IO4 on Layer 2 (split plane): 7307.34,-2509.3 6120.52,-2509.3 6120.52,-1329.41 7307.34,-1329.41
VCC_FPGA_IO1 on Layer 2 (split plane): 1306.58,-2506.06 133.94,-2506.06 133.94,-1333.72 1306.58,-1333.72
VCC_FPGA_IO3 on Layer 2 (split plane): 5299.35,-2504.85 4117.88,-2504.85 4117.88,-1330.85 5299.35,-1330.85

## Other copper
Top Layer:
  region: -735.5,-3083.6 -836.5,-3083.6 -836.5,-3265.6 -735.5,-3265.6
  region: -738.5,-3266.11 -738.5,-3163.6 -1052.5,-3163.6 -1052.5,-3266.11
  rectangle: -1053.5,-3305.6 -952.5,-3163.58
  rectangle: -567.5,-3177.41 -470.07,-2870.6
  region: -706.31,-3082.17 -706.31,-3179.6 -470.5,-3179.6 -470.5,-3082.17
  region: -339.5,-3058.6 -339.5,-2870.75 -548.85,-2870.75 -548.85,-3058.6
  region: -498.5,-3212.6 -606.5,-3212.6 -606.5,-3318.6 -498.5,-3318.6
  region: -422.5,-3249.6 -422.5,-3212.6 -604.5,-3212.6 -604.5,-3249.6
  rectangle: -447.2,-3216.8 -346.88,-3074.44
  rectangle: -428.9,-3313.6 -346.5,-3084.6
  rectangle net VCC_FPGA_IO4: 6123.03,-261.59 6163.03,-153.23
  rectangle net VCC_3V3: 2045.97,-263.23 2103.03,-163.23
  rectangle net VCC_FPGA_IO2: 2123.03,-266.22 2163.03,-153.23
  rectangle net VCC_FPGA_IO3: 4121.42,-261.77 4161.42,-148.78
  rectangle: -804.5,-3399.6 -709.5,-3353.6
  rectangle net VCC_FPGA_IO1: 130,-262.99 170,-150
  rectangle net VCC_3V3: 4044.35,-258.78 4101.42,-158.78
  rectangle net VCC_3V3: 52.93,-260 110,-160
  rectangle net VCC_3V3: 6045.97,-261.14 6103.03,-163.23
  rectangle net VCC_FPGA_IO4: 6242,-980 6305.2,-950.1
  region net VCC_5V: -173.6,-1667.6 -173.6,-1566.7 -492.8,-1566.7 -492.8,-1667.6
  region net GND: -1110,-570 -1300,-570 -1300,-740 -1110,-740
  rectangle net VCC_5V: -1010,-740 -820,-570
  rectangle net VCC_12V: -1032.86,-1749.02 -897.16,-1695.62
  rectangle net GND: -763.2,-1425 -546.9,-1268
  rectangle net VCC_12V: -1048.2,-2742.4 -822.3,-2556.2
  rectangle net GND: -1280.2,-2743.9 -1124.8,-2556.2
  rectangle net VCC_12V: -1169.64,-3305.6 -1068.64,-2945.6
  region net VCC_12V: -726.25,-2798.6 -784.5,-2798.6 -784.5,-3022.82 -726.25,-3022.82
  region net GND: -586.5,-2900.6 -672.5,-2900.6 -672.5,-3057.39 -586.5,-3057.39
  region net GND: -647.5,-2799.6 -709.84,-2799.6 -709.84,-2917.39 -647.5,-2917.39
  region net VCC_12V: -692.5,-3058.6 -692.5,-2942.6 -1169.6,-2942.6 -1169.6,-3058.6
  rectangle net PWR_CNTRL: -745.9,-1752.4 -601.7,-1509.5
  region net NetD4_1: -635.3,-2027.1 -635.3,-1764.9 -752.4,-1764.9 -752.4,-2027.1
  region net VCC_12V: -637.3,-2352.2 -637.3,-2042.2 -754.4,-2042.2 -754.4,-2352.2
  rectangle net PWR_LOCAL: -908.8,-2470.1 -799.7,-2248.4
  rectangle net PWR_LOCAL: -907.7,-2490.4 -645.5,-2373.3
  region net PWR_LOCAL: -815.83,-1878.02 -815.83,-1809.43 -1087.48,-1809.43 -1087.48,-1878.02
  rectangle net PWR_LOCAL: -1087.78,-2050.25 -921.78,-1809.25
  rectangle net PWR_LOCAL: -1043.2,-2267.9 -799.2,-1999.52
  rectangle net GND: -1238.3,-2264.9 -1064.2,-2078.9
  rectangle net GND: -1318.2,-2316.6 -1152.2,-1797.9
Bottom Layer:
  rectangle: -1230,-20 -1040,120
  rectangle net VCC_12V: -785.25,-2970.4 -724.47,-2800.4
  rectangle net VCC_12V: -1170,-3060 -700,-2950
  region net VCC_5V: -127.26,-1667.6 -127.26,-1567.2 -492.2,-1567.2 -492.2,-1667.6
  region net GND: -1070,-570 -1300,-570 -1300,-740 -1070,-740
  rectangle net VCC_5V: -1030,-740 -820,-570
Layer 2 (plane layer: these items are gaps in the copper):
  lines w40: -1340,-3440 -1330,-3450 -600,-3450 -601.32,-3448.68 -601.32,-1594.91 -601.32,-1530 -380,-1530 -380,-1320 -1340,-1320 ; -1340,-1640 -1340,-1594.91 ; -600,-2691.5 -600,-2839.75 7527.51,-2839.75 7527.51,-1097.59 -110,-1097.59 -110,190 -215.6,190 ; 113.84,-2526.16 113.84,-1313.63 1326.68,-1313.63 1326.68,-2526.16 113.84,-2526.16 ; 2106.87,-2529.39 3318.53,-2529.39 3318.53,-1307.88 2106.87,-1307.88 2106.87,-2529.39 ; 4097.79,-2524.94 5319.45,-2524.94 5319.45,-1310.75 4097.79,-1310.75 4097.79,-2524.94 ; 6100.43,-2529.39 7327.44,-2529.39 7327.44,-1309.32 6100.43,-1309.32 6100.43,-2529.39

## Silkscreen, mask and mechanical layers (free items; w line width, h text height)
Mechanical 15:
  region: 1800,-1784.3 -100,-1784.3 -100,-3934.3 1800,-3934.3
  region: 7750,-1750 5900,-1750 5900,-3900 7750,-3900
  region: 5750,-1750 3900,-1750 3900,-3900 5750,-3900
  region: 3800,-1750 1900,-1750 1900,-3900 3800,-3900

## Text inside footprints (layer, text, board x,y; h text height)
P3: Top Overlay "2" at -502.4,-2675.5 h40 r90; Top Overlay "1" at -402.4,-2655.5 h40 r90; Top Overlay "9" at -402.4,-2115.5 h40 r90; Top Overlay "10" at -502.4,-2115.5 h40 r90